# Altium PCB Driver_BLDC.PcbDoc (part 3 of 3)
Units mm, origin at the board's own origin, x right, y up, seen from the top; angles counter-clockwise.
Board outline 200.2 x 290.2 mm, 2 copper layers (Top Layer, Bottom Layer), stack 1.371 mm thick; 324 components, 136 nets, 859 pads, 323 vias.
Unrouted connection lines stored in the file: 128.
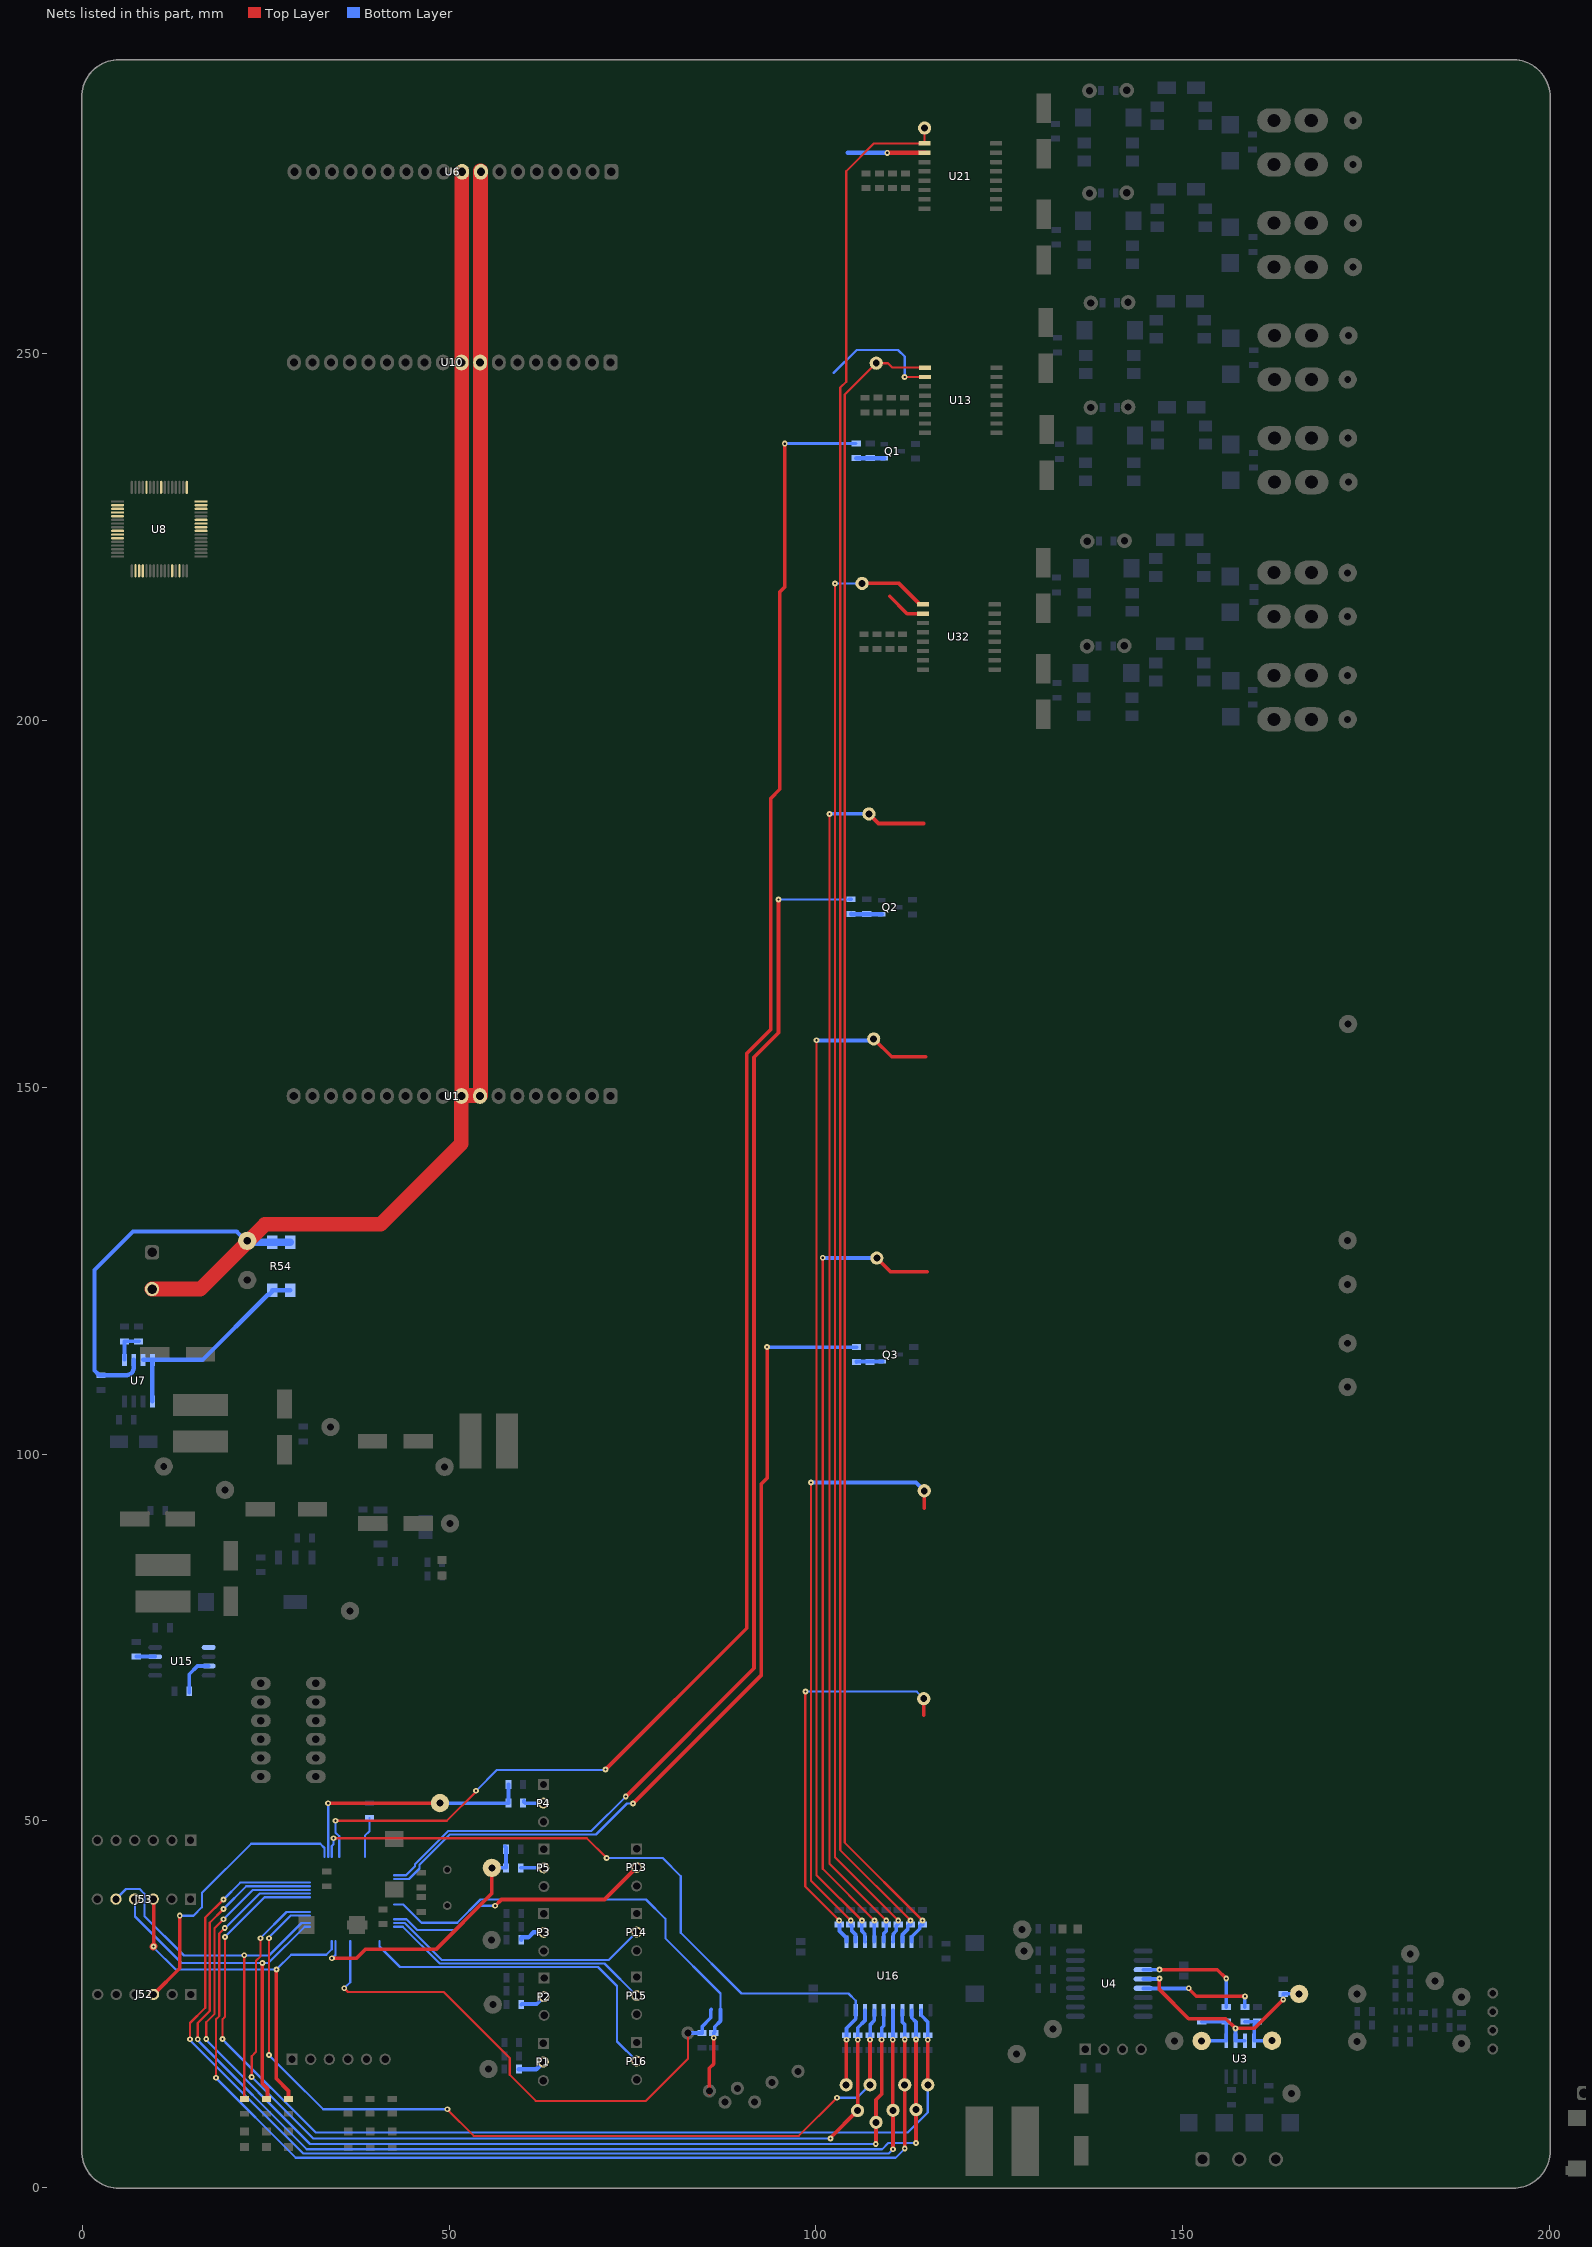
[diagram p3: the nets of this part, all layers, seen from the top]

## Via types
v1: diameter 1, hole 0.5, Top Layer to Bottom Layer, tented both sides, 118 vias
v2: diameter 0.8, hole 0.3, Top Layer to Bottom Layer, 112 vias
v3: diameter 0.8, hole 0.3, Top Layer to Bottom Layer, tented both sides, 64 vias
v4: diameter 2, hole 1, Top Layer to Bottom Layer, tented both sides, 11 vias
v5: diameter 1, hole 0.5, Top Layer to Bottom Layer, 9 vias
v6: diameter 0.8, hole 0.4, Top Layer to Bottom Layer, 5 vias
v7: diameter 0.8, hole 0.4, Top Layer to Bottom Layer, tented both sides, 2 vias
v8: diameter 0.7, hole 0.3, Top Layer to Bottom Layer, tented both sides, 1 vias
v9: diameter 1.5, hole 1, Top Layer to Bottom Layer, tented both sides, 1 vias

## Nets (pads, with @x,y where several pads share a name; then routed paths per layer and width w, separated by ;. In a path a pad name is that pad's centre, name@x,y a point inside that pad or via, vN(x,y) a via of type N, cw(c..) or ccw(c..) an arc to the next point about the centre after c; other vN are vias at no path point) (continued)
NetJ52_3: J52.3 | length 38.6
  Top Layer w0.5: J52.3@9.702,26.332 13.275,29.905 v3(13.275,37.075)
  Bottom Layer w0.3: v3(13.275,37.075) 15.15,37.075 16.287,38.212 16.287,40.162 23,46.875 32.435,46.875 33.007,46.303 33.007,45.076
NetJ53_3: J53.3 R7.2 U8.11 | length 52.8
  Top Layer w0.5: v3@9.717,32.892 J53.3@9.717,39.272 ; v3(26.447,29.732) 26.447,14.826 28.107,13.166 R7.2@28.107,12.076
  Top Layer w1: J53.3@9.657,39.332 J53.3@9.717,39.272 ; v3(9.675,32.85) v3@9.717,32.892
  Bottom Layer w0.3: v3(9.675,32.85) 9.675,32.775 12.718,29.732 24.935,29.732 v3(26.447,29.732) 28.465,31.75 33.25,31.75 34.007,32.507 34.007,33.576
NetJ53_4: J53.4 R8.2 U8.24 | length 49.9
  Top Layer w0.5: v3(24.529,30.607) 24.529,14.198 25.232,13.495 25.232,12.226 R8.2@25.081,12.076
  Top Layer w1: J53.4@7.117,39.332 J53.4@7.177,39.272
  Bottom Layer w0.3: J53.4@7.117,39.332 7.177,39.272 7.177,36.948 13.518,30.607 25.332,30.607 30.299,35.574 31.005,35.574 31.007,35.576
NetJ53_5: J53.5 R9.2 U8.37 | length 54.2
  Top Layer w0.3: R9.2@22.057,12.126 v3(22.057,31.682)
  Top Layer w0.5: R9.2@22.032,12.076 22.032,12.126 R9.2@22.081,12.076
  Top Layer w1: J53.5@4.577,39.332 J53.5@4.637,39.272
  Bottom Layer w0.3: J53.5@4.577,39.332 5.945,40.7 7.825,40.7 8.447,40.078 8.447,37.028 13.843,31.632 22.007,31.632 v3(22.057,31.682) 22.107,31.632 25.432,31.632 29.876,36.076 31.007,36.076
NetP1_2: P1.2 R1.1 | length 3.7
  Bottom Layer w0.6: R1.1@59.511,16.147 61.862,16.147 P1.2@62.842,17.127
NetP2_2: P2.2 R2.1 | length 3.6
  Bottom Layer w0.5: R2.1@59.826,24.951 59.91,25.035 61.951,25.035 P2.2@62.943,26.027
NetP3_2: P3.2 R3.1 | length 3.6
  Bottom Layer w0.6: R3.1@59.823,33.784 59.823,34.009 59.923,34.109 60.809,34.109 61.502,34.802 P3.2@62.893,34.802
NetP4_2: P4.2 R22.1 | length 2.9
  Bottom Layer w0.5: R22.1@60.207,52.699 60.207,52.571 60.357,52.421 P4.2@62.867,52.421
NetP5_2: P5.2 R23.1 | length 3.2
  Bottom Layer w0.5: R23.1@59.757,43.591 P5.2@62.917,43.591
NetP13_2: P13.2 U8.14 | length 37.2
  Top Layer w0.5: v3(56.275,38.425) 57.131,39.281 71.186,39.281 P13.2@75.555,43.65
  Bottom Layer w0.3: 42.507,36.576 44.184,36.576 45.649,35.111 50.836,35.111 54.15,38.425 v3(56.275,38.425)
NetP14_2: P14.2 U8.15 | length 36.7
  Bottom Layer w0.3: 42.507,36.076 43.938,36.076 48.982,31.032 71.752,31.032 P14.2@75.555,34.835
NetP15_2: P15.2 U8.16 | length 36.9
  Bottom Layer w0.3: 42.507,35.576 43.688,35.576 48.712,30.552 71.168,30.552 P15.2@75.555,26.165
NetP16_2: P16.2 U8.17 | length 46.7
  Bottom Layer w0.3: 40.507,33.576 40.509,33.574 40.509,32.866 43.303,30.072 70.292,30.072 72.88,27.484 72.88,19.925 P16.2@75.555,17.25
NetQ1_1: Q1.1 R84.2 R88.1 | length 3.8
  Bottom Layer w0.6: R84.2@105.494,235.77 Q1.1@109.325,235.77
NetQ2_1: Q2.1 R111.2 R113.1 | length 4.2
  Bottom Layer w0.6: R111.2@104.803,173.643 104.833,173.613 Q2.1@108.955,173.613
NetQ3_1: Q3.1 R140.2 R143.1 | length 3.5
  Bottom Layer w0.6: R140.2@105.53,112.575 105.58,112.625 Q3.1@109.04,112.625
NetR13_2: R13.2 U15.7 | length 2.6
  Bottom Layer w0.5: R13.2@7.35,72.397 9.898,72.397 U15.7@9.918,72.377
NetR14_2: R14.2 U15.3 | length 5.6
  Bottom Layer w0.5: R14.2@14.568,67.465 14.568,69.982 15.693,71.107 U15.3@17.218,71.107
NetR15_2: R15.2 TP4.1 U16.9 | length 99.5
  Top Layer w0.3: v2(34.237,47.625) 68.775,47.625 v2(71.475,44.925)
  Top Layer w0.5: TP4.1@104.125,14.011 v2@104.125,20.115
  Bottom Layer w0.3: 34.007,45.076 34.007,46.582 34.233,46.808 34.233,47.621 v2(34.237,47.625) ; v2(71.475,44.925) 79.1,44.925 81.575,42.45 81.575,34.75 89.85,26.475 104.435,26.475 105.43,25.48 U16.9@105.43,24.2
  Bottom Layer w0.5: v2(104.16,20.15) R15.2@104.16,20.775 104.16,21.731 105.43,23.001 U16.9@105.43,24.2
NetR16_2: R16.2 TP12.1 U16.8 | length 129.5
  Top Layer w0.3: v2(23.075,15.075) 23.075,17.925 23.68,18.53 23.68,30.912 24.3,31.532 v2(24.3,34) ; v2(101.975,6.685) v2@101.975,6.8
  Top Layer w0.5: v2@101.975,6.8 TP12.1@105.675,10.5 105.705,10.53 v2(105.705,20.15)
  Bottom Layer w0.3: v2(23.075,15.075) 24.504,13.646 24.529,13.646 31.49,6.685 v2(101.975,6.685) ; v2(24.3,34) 24.3,34.05 27.826,37.576 31.007,37.576
  Bottom Layer w0.5: v2(105.705,20.15) R16.2@105.705,20.775 105.705,21.78 106.7,22.775 U16.8@106.7,24.2
NetR17_2: R17.2 TP15.1 U8.36 U16.7 | length 122.7
  Top Layer w0.3: v2(25.432,34) 25.432,18.07 v2(25.442,18.06) ; v2(49.75,10.675) 49.75,10.648 53.348,7.05 97.675,7.05 v2(102.875,12.25)
  Top Layer w0.5: TP15.1@107.375,14.011 v2(107.375,20.15)
  Bottom Layer w0.3: v2(25.432,34) 25.432,34.134 28.374,37.076 31.007,37.076 ; v2(25.442,18.06) 28.175,15.327 32.827,10.675 v2(49.75,10.675) ; v2(102.875,12.25) 105.614,12.25 TP15.1@107.375,14.011
  Bottom Layer w0.5: v2(107.375,20.15) R17.2@107.375,20.775 107.425,20.825 107.425,22.25 107.97,22.795 U16.7@107.97,24.2
NetR18_2: R18.2 TP17.1 U8.43 U16.6 | length 146.7
  Top Layer w0.3: v2(16.882,20.246) 16.882,22.553 18.03,23.701 18.03,35.387 v2(19.225,36.582) ; v2(108.15,5.955) v2@108.2,6.005
  Top Layer w0.5: v2@108.2,6.005 TP17.1@108.2,8.9 108.2,11.989 108.965,12.754 v2(108.965,20.15)
  Bottom Layer w0.3: v2(16.882,20.246) 16.978,20.15 16.978,20.011 31.034,5.955 v2(108.15,5.955) ; v2(19.225,36.582) 23.219,40.576 31.007,40.576
  Bottom Layer w0.5: v2(108.965,20.15) R18.2@108.965,20.775 ; R18.2@108.965,20.775 108.965,21.78 109.24,22.055 U16.6@109.24,24.2
NetR19_2: R19.2 TP18.1 U8.35 U16.5 | length 155.3
  Top Layer w0.3: v2(14.657,20.221) 14.657,22.433 16.748,24.525 16.748,36.81 v2(19.225,39.287)
  Top Layer w0.5: v2(110.475,20.15) 110.475,10.575 TP18.1@110.512,10.537 v2(110.512,5.225)
  Bottom Layer w0.3: v2(14.657,20.221) 14.657,20.085 14.889,19.854 14.889,19.85 30.089,4.65 109.937,4.65 v2(110.512,5.225) ; v2(19.225,39.287) 21.514,41.576 31.007,41.576
  Bottom Layer w0.5: v2(110.475,20.15) 110.51,20.185 U16.5@110.51,24.2
NetR20_2: R20.2 TP19.1 U8.42 U16.4 | length 152.4
  Top Layer w0.3: v2(18.225,14.975) 18.225,22.95 18.65,23.375 18.65,34.64 v2(19.41,35.4)
  Top Layer w0.5: v2(112.105,5.317) TP19.1@112.105,14.011 v2(112.105,20.185)
  Bottom Layer w0.3: v2(18.225,14.975) 18.225,14.95 29.1,4.075 110.864,4.075 v2(112.105,5.317) ; v2(19.41,35.4) 19.468,35.4 24.144,40.076 31.007,40.076
  Bottom Layer w0.5: U16.4@111.78,24.2 111.78,22.575 112.105,22.25 R20.2@112.105,20.775 v2(112.105,20.185)
NetR21_2: R21.2 TP27.1 U8.34 U16.3 | length 155.2
  Top Layer w0.3: v2(15.732,20.221) 15.732,22.432 17.375,24.075 17.375,36.125 v2(19.225,37.975)
  Top Layer w0.5: v2(113.65,6.075) TP27.1@113.65,10.625 v2(113.65,20.185)
  Bottom Layer w0.3: v2(15.732,20.221) 15.732,20.085 15.964,19.854 15.964,19.85 30.589,5.225 109.025,5.225 109.875,6.075 v2(113.65,6.075) ; v2(19.225,37.975) 22.326,41.076 31.007,41.076
  Bottom Layer w0.5: U16.3@113.05,24.2 113.075,24.175 113.075,23.15 113.65,22.575 R21.2@113.65,20.775 v2(113.65,20.185)
NetR22_2: R22.2 R29.2 TP8.1 U8.50 | length 34.7
  Top Layer w0.5: v3(33.507,52.407) 33.521,52.421 TP8.1@48.044,52.421
  Bottom Layer w0.3: 33.507,45.076 v3(33.507,52.407)
  Bottom Layer w0.5: TP8.1@48.199,52.421 R22.2@58.087,52.421 R29.2@58.087,54.961 ; TP8.1@48.334,52.421 TP8.1@48.439,52.421 ; TP8.1@48.438,52.423 TP8.1@48.439,52.421 ; TP8.1@48.75,52.421 TP8.1@48.439,52.421
NetR23_2: R23.2 R30.2 TP7.1 U8.28 | length 36.4
  Top Layer w0.5: v3(34.007,31.275) 37.371,31.275 38.571,32.475 48.2,32.475 55.823,40.098 TP7.1@55.823,43.591
  Bottom Layer w0.3: v3(34.007,31.275) 34.059,31.275 34.507,31.723 34.507,33.576
  Bottom Layer w0.5: TP7.1@55.823,43.591 R23.2@57.757,43.591 R30.2@57.757,46.131 57.757,46.356 R30.2@57.607,46.506
NetR26_1: R26.1 R32.1 TP9.1 U3.4 | length 6.9
  Bottom Layer w0.5: R32.1@158.477,22.632 R26.1@159.982,22.632 ; R26.1@160.207,22.632 R26.1@159.982,22.632 ; TP9.1@162.184,20.027 U3.4@159.747,20.027 159.747,22.172 159.832,22.257 159.832,22.482 R26.1@159.982,22.632
NetR27_1: R27.1 R36.1 TP16.1 U3.1 | length 9.3
  Bottom Layer w0.5: TP16.1@152.592,20.002 155.922,20.002 155.937,20.017 U3.1@155.937,20.027 R36.1@155.937,22.632 R27.1@152.592,22.632
NetR31_2: R31.2 TP31.1 U8.41 U16.2 | length 144.8
  Top Layer w0.3: v2(19.115,20.246) 19.115,22.94 19.425,23.25 v2(19.425,34.175)
  Top Layer w0.5: TP31.1@115.25,14.011 v2(115.25,20.15)
  Bottom Layer w0.3: v2(19.115,20.246) 19.115,20.198 19.793,19.52 31.813,7.5 112.514,7.5 115.25,10.237 TP31.1@115.25,14.011 ; v2(19.425,34.175) 24.826,39.576 31.007,39.576
  Bottom Layer w0.5: U16.2@114.32,24.2 114.345,24.175 114.345,23.48 115.25,22.575 v2(115.25,20.15)
NetR32_2: R32.2 U4.13 | length 15.8
  Top Layer w0.5: v3(150.822,27.172) 150.822,27.094 151.839,26.077 v3(158.497,26.077)
  Bottom Layer w0.5: U4.13@144.618,27.172 144.64,27.15 150.8,27.15 v3(150.822,27.172) ; R32.2@158.477,24.632 158.477,26.057 v3(158.497,26.077)
NetR33_2: R33.2 TP37.1 U16.11 | length 55.3
  Top Layer w0.3: v2(98.58,67.65) 98.55,67.62 98.55,41.04 v2(103.17,36.42)
  Top Layer w0.5: 114.699,64.39 TP37.1@114.699,66.652
  Bottom Layer w0.3: v2(98.58,67.65) 98.617,67.613 113.738,67.613 TP37.1@114.699,66.652
  Bottom Layer w0.5: v2(103.17,36.42) R33.2@103.17,35.851 103.219,35.801 103.219,34.994 104.113,34.1 104.135,34.1 104.16,34.075 U16.11@104.16,33.5
NetR34_2: R34.2 TP38.1 U16.12 | length 83.2
  Top Layer w0.3: v2(99.345,96.125) 99.31,96.09 99.31,41.866 v2(104.756,36.42)
  Top Layer w0.5: 114.769,92.66 TP38.1@114.769,94.997
  Bottom Layer w0.5: v2(99.345,96.125) 113.641,96.125 TP38.1@114.769,94.997 ; R34.2@104.725,35.851 104.741,35.866 104.741,36.405 v2(104.756,36.42) ; R34.2@104.906,35.701 104.906,34.994 105.405,34.495 105.405,33.525 U16.12@105.43,33.5
NetR35_2: R35.2 TP40.1 U16.13 U32.2 | length 147.2
  Top Layer w0.3: v2(100.075,156.425) 100.075,42.6 v2(106.27,36.405)
  Top Layer w0.5: TP40.1@107.875,156.6 110.321,154.154 114.939,154.154 ; 110.05,216.95 112.431,214.569 U32.2@114.625,214.569
  Bottom Layer w0.3: v2(100.075,156.425) v2@100.106,156.394 ; TP40.1@107.669,156.394 TP40.1@107.875,156.6
  Bottom Layer w0.5: v2@100.106,156.394 TP40.1@107.669,156.394 ; v2(106.27,36.405) R35.2@106.27,35.851 106.27,34.992 106.675,34.587 106.675,33.525 U16.13@106.7,33.5
NetR36_2: R36.2 U4.11 | length 15.7
  Top Layer w0.5: v2(146.825,29.712) 154.73,29.712 v3(155.937,28.504)
  Bottom Layer w0.5: U4.11@144.618,29.712 v2(146.825,29.712) ; R36.2@155.937,24.632 v3(155.937,28.504)
NetR37_2: R37.2 TP41.1 U16.14 U32.1 | length 111.2
  Top Layer w0.3: v2(100.925,126.775) 100.925,43.465 v2(107.97,36.42)
  Top Layer w0.5: TP41.1@108.303,126.725 110.179,124.849 115.141,124.849
  Bottom Layer w0.3: v2(100.925,126.775) v2@100.975,126.725
  Bottom Layer w0.5: v2@100.975,126.725 TP41.1@108.303,126.725 ; U16.14@107.97,33.5 v2(107.97,36.42)
NetR38_2: R38.2 TP13.1 U3.2 U3.3 U4.12 | length 30.6
  Top Layer w0.5: v2(146.825,28.5) 146.825,27.015 150.808,23.032 155.887,23.032 v3(157.207,21.712) 159.778,21.712 v3(163.712,25.646)
  Bottom Layer w0.5: U4.12@144.618,28.442 146.686,28.442 146.744,28.5 v2(146.825,28.5) ; v3(157.207,21.712) U3.2@157.207,20.027 U3.3@158.477,20.027 ; v3(163.712,25.646) 163.712,26.412 TP13.1@166.186,26.412
NetR42_2: R42.2 TP42.1 U16.15 U21.2 | length 181.5
  Top Layer w0.3: v2(101.87,187.275) 101.87,44.13 v2(109.58,36.42)
  Top Layer w0.5: TP42.1@107.225,187.275 108.541,185.959 114.678,185.959
  Top Layer w0.58: v2(109.725,277.4) 109.733,277.408 U21.2@114.815,277.408
  Bottom Layer w0.3: TP42.1@107.225,187.275 TP42.1@107.597,186.903
  Bottom Layer w0.5: v2(101.87,187.275) TP42.1@107.225,187.275 ; U16.15@109.24,33.5 109.242,33.502 109.242,34.654 109.58,34.992 R42.2@109.58,35.851 v2(109.58,36.42)
  Bottom Layer w0.58: 104.325,277.4 v2(109.725,277.4)
NetR43_2: R43.2 TP43.1 U16.16 U21.1 | length 202.3
  Top Layer w0.3: v2(102.595,218.7) 102.6,218.695 102.6,45.045 v2(111.225,36.42)
  Top Layer w0.5: TP43.1@106.292,218.7 111.318,218.7 114.05,215.968 114.05,215.889 114.1,215.839 114.625,215.839
  Bottom Layer w0.3: v2(102.595,218.7) TP43.1@106.292,218.7
  Bottom Layer w0.5: U16.16@110.51,33.5 110.535,33.525 110.535,34.59 110.968,35.022 110.968,35.701 111.225,35.958 v2(111.225,36.42)
NetR44_2: R44.2 TP46.1 U13.2 U16.17 | length 277.6
  Top Layer w0.3: v2(112.1,246.825) 112.118,246.843 U13.2@114.887,246.843 ; v2(112.915,36.42) 103.325,46.01 103.325,245.4 104.125,246.2 104.125,274.9 107.903,278.678 114.815,278.678 TP46.1@114.815,280.779
  Bottom Layer w0.3: 102.4,247.375 105.55,250.525 111.2,250.525 112.1,249.625 v2(112.1,246.825)
  Bottom Layer w0.5: U16.17@111.78,33.5 111.805,33.525 111.805,34.507 112.54,35.242 112.54,35.701 112.69,35.851 R44.2@112.915,35.851 v2(112.915,36.42)
NetR45_2: R45.2 TP47.1 U13.1 U16.18 | length 228.4
  Top Layer w0.3: TP47.1@107.747,248.265 103.925,244.443 103.925,47.029 v2(114.534,36.42) ; TP47.1@108.225,248.725 109.825,248.725 110.437,248.113 U13.1@114.887,248.113
  Bottom Layer w0.5: U16.18@113.05,33.5 113.075,33.525 113.075,34.19 114.159,35.274 114.159,35.701 114.309,35.851 R45.2@114.534,35.851 v2(114.534,36.42)
NetR46_2: R46.2 U8.51 | length 72.9
  Top Layer w0.3: v2(35.7,27.175) 36.2,26.675 49.25,26.675 58.25,17.675 58.25,15.381 61.806,11.825 76.825,11.825 82.55,17.55 82.55,21.08
  Bottom Layer w0.3: v2(35.7,27.175) 35.7,27.2 36.507,28.007 36.507,33.576
  Bottom Layer w0.5: 82.55,21.08 82.555,21.075 R46.2@84.49,21.075 84.495,21.07 84.495,21.97 85.68,23.155 85.68,24.225 85.73,24.275
NetR47_2: R47.2 U8.52 | length 68
  Top Layer w0.5: 85.475,12.814 85.475,16.275 86.065,16.865 v2(86.065,20.433)
  Bottom Layer w0.3: 42.507,38.576 43.763,38.576 46.219,36.12 51.098,36.12 54.26,39.281 76.844,39.281 79.475,36.65 79.475,34 87,26.475 87,24.275
  Bottom Layer w0.5: v2(86.065,20.433) R47.2@86.065,21.07 86.202,21.207 86.202,21.927 87,22.725 87,24.275
NetR54_2: R54.2 U7.1 U7.7 U7.8 | length 29.7
  Bottom Layer w0.6: U7.7@8.275,112.834 U7.8@9.545,112.834 ; U7.1@9.545,107.184 U7.8@9.545,112.834 ; R54.2@25.875,122.325 R54.2@28.325,122.325 ; R54.2@25.963,122.237 25.45,121.725 25.275,121.725 16.384,112.834 U7.8@9.545,112.834
NetR56_2: R56.2 R57.2 U7.5 | length 4.5
  Bottom Layer w0.5: U7.5@5.74,112.839 R57.2@5.74,115.369 R56.2@7.734,115.369
NetR59_2: R59.2 U8.60 | length 5.6
  Bottom Layer w0.3: 38.507,45.076 38.507,47.957 39.159,48.609 R59.2@39.159,50.407
NetR84_1: R84.1 U8.8 | length 245.5
  Top Layer w0.3: v2(34.507,50.007) 49.682,50.007 53.675,54 v2(53.675,54.1)
  Top Layer w0.5: v2(71.3,57) 90.572,76.272 90.572,154.622 93.825,157.875 93.825,189.375 95.075,190.625 95.075,217.525 95.75,218.2 v2(95.75,237.75)
  Bottom Layer w0.3: v2(34.507,50.007) 34.507,48.387 35.007,47.887 35.007,45.076 ; v2(53.675,54.1) 56.5,56.925 71.225,56.925 v2(71.3,57)
  Bottom Layer w0.4: v2(95.75,237.75) 95.77,237.77 R84.1@105.494,237.77
NetR111_1: R111.1 U8.9 | length 177
  Top Layer w0.5: v3(74.075,53.325) 74.1,53.325 91.562,70.787 91.562,154.087 94.9,157.425 v2(94.9,175.625)
  Bottom Layer w0.3: 42.507,42.576 44.12,42.576 45.348,43.804 45.348,44.08 49.897,48.63 69.405,48.63 74.075,53.3 v3(74.075,53.325) ; v2(94.9,175.625) 104.56,175.625 R111.1@104.578,175.643
  Bottom Layer w0.5: R111.1@104.578,175.643 R111.1@104.803,175.643
NetR140_1: R140.1 U8.10 | length 119.1
  Top Layer w0.5: v3(75.075,52.375) 92.525,69.825 92.525,95.9 93.35,96.725 v2(93.35,114.6)
  Bottom Layer w0.3: 42.507,42.076 44.53,42.076 45.95,43.496 45.95,43.994 46.072,44.116 46.072,44.126 50.056,48.11 50.066,48.11 50.106,48.15 70.03,48.15 74.255,52.375 v3(75.075,52.375)
  Bottom Layer w0.5: v2(93.35,114.6) 93.375,114.575 R140.1@105.53,114.575
NetU8_62: U8.62 U15.1
VCC: C41.1 C47.1 J2.2 J9.2 R54.1 U1.8 U1.9 U6.8 U6.9 U7.6 U10.8 U10.9 | length 361.8
  Top Layer w2: J9.2@9.5,122.5 16.075,122.5 24.904,131.329 40.67,131.329 51.67,142.329 U1.9@51.67,148.815 ; U6.9@51.73,274.815 51.73,198.815 51.73,148.875 54.27,148.875 54.27,198.815 54.27,248.815 54.27,274.815 U6.8@54.27,274.942
  Bottom Layer w0.6: U7.6@7.005,112.834 7.005,111.789 cw(c5.965,111.789) 5.965,110.749 2.295,110.749 1.65,111.394 1.65,125.1 6.9,130.35 21.025,130.35 C47.1@22.475,128.9
  Bottom Layer w1: C47.1@22.475,128.9 22.5,128.875 R54.1@25.875,128.875 R54.1@28.325,128.875
pads on no net: C11.2 C19.1 C21.1 C23.1 TP36.1 U1.5 U1.6 U1.7 U1.12 U1.13 U1.14 U4.3 U4.14 U6.5 U6.6 U6.7 U6.12 U6.13 U6.14 U8.2 U8.3 U8.4 U8.21 U8.22 U8.23 U8.44 U8.45 U8.46 U8.49 U8.53 U8.54 U10.5 U10.6 U10.7 U10.12 U10.13 U10.14 U13.7 U13.12 U13.13 U21.7 U21.12 U21.13 U32.7 U32.12 U32.13
copper on no net: | length 3467.4
  Top Layer w0.3: v3(31.626,32.598) 31.626,26.399 39.169,18.856 49.894,18.856 51.95,16.8 v2(51.95,10.455) ; v2(83.617,36.961) 92.5,45.844 92.5,65.9 v2(92.475,65.925) ; v2(85.13,36.961) 93.45,45.281 93.45,94.48 v2(93.47,94.5) ; v2(86.685,36.961) 94.2,44.475 94.2,154.25 v2(94.175,154.275) ; v2(88.195,36.961) 94.925,43.691 94.925,123.595 v2(94.93,123.6) ; v2(89.695,36.961) 95.675,42.941 95.675,188.872 v2(95.67,188.877) ; v2(91.231,36.961) 96.4,42.13 96.4,216.925 v2(96.375,216.95) ; v2(92.75,36.961) 97.2,41.411 97.2,270.275 104.325,277.4 ; v2(94.32,36.961) 97.85,40.491 97.85,242.725 102.326,247.201 102.326,247.301 ; v2(113.198,63.12) 114.699,63.12 ; v2(113.26,184.7) v2@113.265,184.694 ; 114.672,184.694 114.678,184.689
  Top Layer w0.5: v3(36.45,25.55) 41.333,25.55 44.475,22.408 47.087,22.408 ; v3(45.797,24.536) 45.818,24.515 47.08,24.515 47.087,24.508 ; 55.662,68.807 55.662,65.298 v3(58.552,62.407) ; v3(76.15,51.375) v2(90.125,65.35) ; 105.6,154.275 106.991,152.884 114.939,152.884 ; 106.354,58.035 107.313,58.035 ; v5(108.1,123.6) 108.121,123.579 115.141,123.579 ; 108.565,58.205 108.715,58.355 108.715,58.968 109.008,59.26 ; 108.709,86.555 108.688,86.555 ; 109.058,59.31 114.619,59.31 ; 109.675,94.45 112.735,91.39 114.769,91.39 ; 110.064,58.205 111.824,58.205 111.974,58.055 112.427,58.055 112.492,57.99 ; 110.103,179.879 111.843,179.879 112.738,179.879 113.008,179.609 114.678,179.609 ; 110.314,86.575 112.084,86.575 112.254,86.405 113.314,86.405 113.409,86.31 114.769,86.31 ; 110.654,148.049 110.684,148.079 112.404,148.079 112.629,148.079 112.904,147.804 114.939,147.804 ; v1(110.825,62.685) 110.825,77.527 106.734,81.618 106.734,86.555 108.484,86.555 108.688,86.555 ; 110.868,118.824 112.645,118.824 113.781,118.824 114.084,118.521 115.119,118.521 115.141,118.499 ; 112.542,58.04 114.619,58.04 ; v2@113.265,184.694 114.672,184.694 ; 114.769,87.58 109.13,87.58 108.838,87.287 108.838,86.705 108.688,86.555 ; 124.369,56.77 124.449,56.77 127.264,56.77 128.851,58.357 133.174,58.357 140.336,51.195 v1(146.149,51.195) ; 124.369,63.12 124.449,63.12 127.213,63.12 129.164,61.169 133.312,61.169 137.502,65.359 v1(146.149,65.359) ; 124.428,178.339 127.138,178.339 129.003,180.204 132.523,180.204 138.963,173.764 v1(145.748,173.764) ; 124.428,183.419 123.108,183.419 122.693,183.834 122.693,187.034 127.601,191.942 130.873,191.942 ; 124.428,184.689 127.358,184.689 128.973,183.074 133.019,183.074 138.119,188.174 v1(146.018,188.174) ; 124.428,185.959 130.633,185.959 ; 124.519,85.04 126.759,85.04 129.004,87.285 133.094,87.285 140.209,80.17 v1(146.219,80.17) ; 124.519,91.39 127.399,91.39 129.024,89.765 132.924,89.765 138.134,94.975 v1(146.434,94.975) ; 124.689,146.534 126.609,146.534 129.034,148.959 132.784,148.959 139.179,142.564 v1(146.659,142.564) ; 124.689,151.614 123.267,151.614 122.974,151.907 122.974,154.869 128.172,160.067 131.194,160.067 ; 124.689,152.884 127.579,152.884 129.424,151.039 132.624,151.039 137.864,156.279 v1(146.684,156.279) ; 124.689,154.154 130.884,154.154 131.194,153.844 ; 124.891,117.229 127.186,117.229 129.406,119.449 132.756,119.449 139.236,112.969 v1(146.101,112.969) ; 124.891,122.309 123.449,122.309 123.156,122.602 123.156,125.819 128.104,130.767 131.236,130.767 131.236,131.614 130.747,132.103 ; 124.891,123.579 127.076,123.579 129.006,121.649 133.786,121.649 139.211,127.074 v1(146.136,127.074) ; 124.891,124.849 130.931,124.849 ; v1(129.925,156.025) v1@129.937,156.025 ; 130.19,193.604 130.873,192.921 130.873,191.942 ; 130.358,161.817 130.444,161.817 131.194,161.067 131.194,160.067 ; 130.368,155.594 130.444,155.594 131.194,154.844 131.194,153.844 ; 130.59,125.968 131.236,125.322 131.236,124.544 ; 130.938,125.307 131.125,124.951 131.304,124.612 131.236,124.544 ; 131.311,191.504 130.873,191.942 ; 131.891,125.199 131.236,124.544 ; 131.899,154.549 131.194,153.844 ; 131.944,158.799 131.194,159.549 131.194,160.067
  Top Layer w0.6: v1(106.575,56.975) 106.613,57.013 106.613,58.035 ; 107.313,58.105 108.383,58.105
  Top Layer w1: 64.42,174.815 66.96,174.815 66.96,155.81 v1(66.925,155.775) ; 69.5,174.815 72.04,174.815 72.04,154.15 v1(71.99,154.1) ; v1(129.1,193.4) 129.987,193.4 ; v1(129.5,188) 130.281,187.219 130.373,187.219 130.873,186.719 130.873,186.434 ; v1(129.85,162.325) 130.358,161.817 ; v1@129.937,156.025 130.368,155.594 ; v1(129.975,126.725) 130.661,126.039 130.736,126.039 131.236,125.539 131.236,124.544 ; v1(130.093,132.724) 130.55,132.267 130.736,132.267 130.747,132.256 130.747,132.103 ; 130.633,185.959 130.873,185.719 130.873,186.434 ; 131.236,130.767 131.236,130.159 131.736,129.659 v1(133.046,129.659) ; 131.311,191.504 v1(132.603,191.504) ; 131.891,125.199 v1(133.046,125.199) ; 131.899,154.549 v1(133.074,154.549) ; 131.944,158.799 v1(133.074,158.799) ; v1(132.566,186.934) 131.373,186.934 130.873,186.434 ; 162.393,170.854 167.473,170.854 ; 162.393,176.854 167.473,176.854 ; 162.393,184.854 162.413,184.874 ; 162.393,190.854 162.473,190.934 ; 162.484,76.855 162.654,76.685 ; 162.534,47.465 162.544,47.455 ; 162.534,61.465 162.554,61.445
  Top Layer w2: 162.374,82.985 162.594,82.765 172.414,82.765 ; 162.374,90.985 162.444,91.055 172.414,91.055 ; 162.374,96.985 162.484,96.875 172.414,96.875 ; 162.413,184.874 172.453,184.874 ; 162.446,129.149 167.526,129.149 172.486,129.149 ; 162.473,190.934 172.453,190.934 ; 162.514,138.579 162.564,138.629 172.554,138.629 ; 162.514,144.579 167.594,144.579 172.554,144.579 ; 162.514,152.579 167.594,152.579 172.554,152.579 ; 162.534,53.465 167.614,53.465 172.574,53.465 ; 162.534,67.465 167.614,67.465 172.574,67.465 ; 162.544,47.455 172.574,47.455 ; 162.554,61.445 172.574,61.445 ; 162.654,76.685 172.414,76.685 ; 167.473,170.854 172.433,170.854 ; 167.473,176.854 172.433,176.854
  Bottom Layer w0.3: v3(31.626,32.598) 31.626,34.043 36.007,38.424 40.796,38.424 40.992,38.228 41.144,38.076 42.507,38.076 ; v3(36.45,25.55) 36.475,25.55 36.989,26.064 36.989,33.021 37.005,33.036 37.005,33.574 37.007,33.576 ; 39.007,45.076 39.007,47.67 52.439,61.101 57.774,61.101 ; 39.507,45.076 39.507,47.434 50.684,58.611 57.774,58.611 ; 42.507,41.576 44.781,41.576 46.552,43.347 46.552,43.927 50.255,47.63 70.355,47.63 74.1,51.375 v3(76.15,51.375) ; v2(51.95,10.455) 87.055,10.455 87.091,10.42 92.134,10.42 92.17,10.455 92.93,10.455 96,13.525 96,17.075 97.325,18.4 97.325,21.07 ; v2(90.125,65.35) 100.095,55.38 102.275,55.38 ; v2(92.475,65.925) 92.5,65.95 110.368,65.95 v2(113.198,63.12) ; v2(96.375,216.95) 110.05,216.95 ; 105.245,123.6 v5(108.1,123.6) ; 113.26,188.834 113.303,188.877 113.744,188.877
  Bottom Layer w0.4: 47.076,24.524 47.087,24.536 ; 95.605,21.07 97.325,21.07
  Bottom Layer w0.5: 31.325,174.74 31.4,174.815 ; 44.475,22.408 46.937,22.408 47.087,22.558 ; v3(45.797,24.536) 47.064,24.536 47.076,24.524 ; 47.087,22.696 47.087,22.558 ; 48.487,17.456 47.087,18.856 47.087,22.558 ; 50.582,68.807 50.582,66.796 51.442,65.936 51.592,65.786 51.592,65.561 51.592,63.711 ; 53.122,68.807 53.122,66.229 53.415,65.936 53.442,65.936 53.592,65.786 53.592,65.561 ; 53.592,63.711 58.402,63.711 58.552,63.561 ; 53.592,65.561 58.552,65.561 ; 57.774,58.611 59.552,60.389 59.552,64.436 58.702,65.286 ; 57.774,61.101 58.552,61.879 v3(58.552,62.407) 58.552,63.561 ; 60.552,63.561 64.122,63.561 ; 60.552,65.661 60.652,65.561 64.122,65.561 ; 83.617,38.275 85.13,38.275 86.685,38.275 88.195,38.275 92.75,38.275 94.32,38.275 ; 83.765,36.165 83.765,35.345 84.45,34.66 ; v2(85.13,36.961) 85.13,35.301 85.72,34.711 ; 87,33.775 87,36.165 ; 88.195,36.275 v2(88.195,36.961) ; 88.27,33.775 88.27,36.2 ; 89.54,33.775 89.54,36.165 ; 89.65,36.275 89.695,36.32 v2(89.695,36.961) ; 90.82,33.785 90.82,35.276 90.977,35.433 90.977,36.165 ; 92.08,33.775 92.08,35.18 92.415,35.515 92.415,36.165 ; 93.35,33.775 93.4,33.825 93.4,34.981 93.945,35.526 93.945,36.125 94.095,36.275 94.32,36.275 v2(94.32,36.961) ; v2(93.47,94.5) 93.52,94.45 109.675,94.45 ; v2(94.175,154.275) 105.6,154.275 ; 94.62,24.275 94.62,22.87 95.563,21.927 95.563,21.22 95.605,21.178 95.605,21.07 ; v2(94.93,123.6) 105.245,123.6 ; v2(95.67,188.877) 113.303,188.877 ; 108.1,54.4 108.15,54.35 108.6,54.35 109.4,53.55 110.025,53.55 110.255,53.32 ; 108.325,54.4 108.325,55.225 v1(106.575,56.975) 106.575,58.435 v1(110.825,62.685) ; v2(113.26,184.7) 113.26,188.834 ; 133.046,126.549 133.056,126.559 ; 133.064,155.839 133.074,155.829 ; 133.064,157.839 133.069,157.844 ; v1@133.069,158.794 v1(133.074,158.799) ; 146.659,157.694 146.663,157.69 ; v1@146.663,156.3 v1(146.684,156.279)
  Bottom Layer w0.58: v2(83.617,36.961) 83.617,36.275 83.655,36.275 83.765,36.165 ; 84.45,34.66 84.45,33.785 84.46,33.775 ; 85.72,34.711 85.72,33.785 85.73,33.775 ; v2(86.685,36.961) 86.685,36.275 86.89,36.275 87,36.165 ; 88.195,36.275 88.27,36.2 ; 89.54,36.165 89.65,36.275 ; 90.81,33.775 90.82,33.785 ; 90.977,36.165 91.087,36.275 91.231,36.275 ; 91.231,36.275 v2(91.231,36.961) ; 92.415,36.165 92.525,36.275 92.75,36.275 v2(92.75,36.961)
  Bottom Layer w0.6: 47.627,39.913 v7(47.627,40.831) 47.627,41.749 ; 102.275,53.38 104.105,53.38 104.175,53.45 106.025,53.45
  Bottom Layer w1: 28.86,174.815 31.4,174.815 ; 28.87,198.815 31.41,198.815 31.41,195.49 35.05,191.85 125.65,191.85 v1(129.5,188) ; 31.325,174.74 31.325,172.95 43.2,161.075 124.875,161.075 v1(129.925,156.025) ; 33.94,174.815 36.48,174.815 36.48,171.895 46.05,162.325 v1(129.85,162.325) ; 33.95,198.815 36.49,198.815 36.49,195.71 38.8,193.4 v1(129.1,193.4) ; v1(66.925,155.775) 74.675,155.775 79.55,150.9 79.55,150.844 79.705,150.689 79.705,145.295 92.276,132.724 v1(130.093,132.724) ; v1(71.99,154.1) 74.625,154.1 78.525,150.2 78.525,144.775 91.975,131.325 125.375,131.325 v1(129.975,126.725) ; v1(132.566,186.934) 132.566,187.569 132.566,188.027 132.593,188.054 134.678,188.054 135.283,187.449 135.458,187.449 135.458,184.999 ; v1(132.603,191.504) 132.593,191.494 132.593,190.054 134.543,190.054 134.703,190.214 134.713,190.214 135.313,190.814 135.313,193.651 136.188,194.526 136.188,194.699 136.2,194.711 137.75,194.711 137.763,194.724 ; v1(133.046,125.199) 133.046,126.549 ; v1(133.046,129.659) 133.046,128.569 133.056,128.559 135.006,128.559 135.356,128.909 135.506,128.909 136.106,129.509 136.106,129.659 136.106,132.266 136.981,133.141 136.981,133.314 136.993,133.326 138.543,133.326 138.556,133.339 ; 133.056,126.559 135.796,126.559 136.106,126.249 136.281,126.249 136.281,123.799 ; 133.064,155.839 136.509,155.839 136.944,155.404 137.119,155.404 137.119,152.954 ; 133.064,157.839 136.134,157.839 136.944,158.649 136.944,161.386 137.819,162.261 137.819,162.434 137.831,162.446 139.381,162.446 139.394,162.459 ; 133.069,157.844 v1@133.069,158.794 ; v1(133.074,154.549) 133.074,155.829 ; 139.763,180.254 139.788,180.279 141.238,180.279 141.263,180.304 141.263,180.206 142.213,179.256 142.213,176.564 142.038,176.389 142.038,173.039 142.038,170.589 156.397,170.589 ; 139.763,194.724 139.788,194.749 141.238,194.749 141.263,194.774 141.263,194.664 142.213,193.714 142.213,190.964 ; 140.294,101.425 140.319,101.45 141.769,101.45 141.794,101.475 ; 140.414,87.685 140.439,87.71 141.889,87.71 141.914,87.735 141.914,84.635 142.864,83.685 142.864,83.535 142.689,83.36 142.689,80.17 ; 140.574,57.675 140.599,57.7 142.049,57.7 142.074,57.725 142.074,57.59 143.024,56.64 143.024,53.805 142.849,53.63 142.849,50.47 142.849,48.02 142.925,47.944 156.574,47.944 158.215,49.585 159.714,49.585 160.076,49.585 162.196,47.465 ; 140.574,71.689 140.599,71.714 142.049,71.714 142.074,71.739 142.074,68.859 143.024,67.909 143.024,67.759 142.849,67.584 142.849,64.344 142.849,61.894 142.928,61.814 156.574,61.814 158.115,63.355 159.524,63.355 160.162,63.355 162.052,61.465 162.534,61.465 ; 141.174,148.559 141.199,148.584 142.649,148.584 142.674,148.609 142.674,148.511 143.624,147.561 143.624,144.895 143.449,144.72 143.449,141.524 143.449,139.074 143.533,139.158 156.584,139.158 158.055,140.629 159.564,140.629 160.301,140.629 162.351,138.579 162.514,138.579 ; 141.394,162.459 141.419,162.484 142.869,162.484 142.894,162.509 142.894,162.238 143.669,161.463 143.669,155.404 143.669,152.954 143.815,152.808 156.554,152.808 158.295,154.549 159.854,154.549 161.824,152.579 ; 141.914,101.475 141.914,98.735 142.864,97.785 142.864,97.635 ; 142.008,184.999 142.008,187.449 142.008,190.964 ; 142.389,97.635 142.389,91.8 156.528,91.8 156.934,91.394 158.365,92.825 160.113,92.825 161.953,90.985 162.374,90.985 162.444,91.055 ; 142.449,184.843 156.433,184.843 158.414,186.824 159.333,186.824 160.1,186.824 162.07,184.854 162.393,184.854 ; 142.484,80.17 142.689,79.965 142.689,77.72 155.438,77.72 156.144,77.014 157.825,78.695 160.112,78.695 161.952,76.855 162.484,76.855 ; v1(145.748,173.764) 145.748,175.449 145.748,177.899 145.748,179.639 146.623,180.514 147.023,180.514 ; v1(146.018,188.174) 146.018,189.799 146.018,190.964 146.018,192.249 146.018,193.979 146.893,194.854 147.293,194.854 ; v1(146.101,112.969) 146.101,114.574 146.101,117.024 146.101,118.704 147.006,119.609 147.406,119.609 ; v1(146.136,127.074) 146.136,128.5 146.136,132.67 146.991,133.525 147.391,133.525 ; v1(146.149,51.195) 146.149,52.54 146.149,54.99 146.149,56.69 147.024,57.565 147.424,57.565 ; v1(146.149,65.359) 146.149,66.74 146.149,69.19 146.149,71.1 147.024,71.975 147.424,71.975 ; v1(146.219,80.17) 146.219,81.89 146.219,84.34 146.219,86.08 147.124,86.985 147.524,86.985 ; v1(146.434,94.975) 146.434,95.763 146.914,96.243 ; 146.434,96.203 146.434,98.653 146.42,98.653 146.195,98.878 146.195,100.313 146.78,100.898 147.479,100.898 147.829,101.248 ; v1(146.659,142.564) 146.659,144.024 146.659,146.474 146.659,148.184 147.534,149.059 147.934,149.059 ; 146.659,157.694 146.659,160.144 146.659,161.854 147.534,162.729 147.934,162.729 ; v1@146.663,156.3 146.663,157.69 ; 151.023,180.514 151.373,180.164 151.997,180.164 152.583,179.578 152.583,178.124 152.358,177.899 152.298,177.899 152.298,175.449 152.313,175.434 ; 151.293,194.854 151.693,194.854 152.568,193.979 152.568,189.799 152.643,189.724 156.433,189.724 156.865,189.292 158.84,189.292 159.308,188.824 159.333,188.824 160.16,188.824 162.19,190.854 162.393,190.854 ; 151.391,133.525 151.791,133.525 152.453,132.864 152.453,131.175 152.678,130.95 152.686,130.95 152.686,128.5 152.734,128.549 156.496,128.549 157.876,127.169 159.296,127.169 160.163,127.169 162.143,129.149 162.446,129.149 ; 151.424,57.565 151.824,57.565 152.699,56.69 152.699,52.54 ; 151.424,71.975 151.824,71.975 152.699,71.1 152.699,66.74 152.744,66.695 ; 151.524,86.985 151.924,86.985 152.769,86.14 152.769,84.34 152.769,81.89 156.139,81.89 156.144,81.895 156.844,81.195 157.374,81.195 157.874,80.695 160.324,80.695 161.408,81.78 161.408,81.792 162.472,82.855 ; 151.633,175.434 156.433,175.434 156.983,174.884 159.403,174.884 160.1,174.884 162.07,176.854 162.393,176.854 ; 151.934,149.059 152.334,149.059 153.209,148.184 153.209,144.024 153.224,144.039 156.584,144.039 157.994,142.629 159.564,142.629 160.201,142.629 162.151,144.579 162.514,144.579 ; 152.269,52.54 156.289,52.54 156.574,52.825 157.814,51.585 159.714,51.585 160.162,51.585 162.042,53.465 162.534,53.465 ; 152.279,101.288 152.279,101.198 152.984,100.493 152.984,96.203 ; 152.314,66.695 156.574,66.695 157.914,65.355 159.524,65.355 160.381,65.355 162.491,67.465 162.534,67.465 ; 153.466,96.275 156.934,96.275 158.384,94.825 160.214,94.825 161.298,95.91 161.298,95.922 162.362,96.985 162.374,96.985 162.484,96.875 ; 156.433,170.553 158.764,172.884 159.403,172.884 160.16,172.884 162.19,170.854 162.393,170.854 ; 172.244,76.855 172.414,76.685
  Bottom Layer w2: 156.397,170.589 156.433,170.553 ; 161.824,152.579 162.514,152.579 167.594,152.579 172.554,152.579 ; 162.196,47.465 162.534,47.465 167.614,47.465 167.624,47.455 172.574,47.455 ; 162.393,170.854 167.473,170.854 172.433,170.854 ; 162.393,176.854 167.473,176.854 172.433,176.854 ; 162.393,184.854 162.413,184.874 172.453,184.874 ; 162.393,190.854 162.473,190.934 172.453,190.934 ; 162.444,91.055 167.454,91.055 ; 162.446,129.149 167.526,129.149 172.486,129.149 ; 162.484,76.855 167.564,76.855 172.244,76.855 ; 162.484,96.875 167.454,96.875 ; 162.514,138.579 162.564,138.629 172.554,138.629 ; 162.514,144.579 167.594,144.579 172.554,144.579 ; 162.534,53.465 167.614,53.465 172.574,53.465 ; 162.534,61.465 162.554,61.445 172.574,61.445 ; 162.534,67.465 167.614,67.465 172.574,67.465 ; 162.574,82.765 167.454,82.765 ; 167.454,82.985 167.674,82.765 172.414,82.765 ; 167.454,90.985 172.344,90.985 ; 167.454,96.985 172.168,96.985 172.183,96.971 172.289,96.971 172.304,96.985

## Polygon pours and split planes (outlines as drawn)
GND on Bottom Layer "NONET_L-01_P-001" (solid, pour order 42): 115.92,281.845 115.92,279.882 115.92,268.876 113.729,266.686 104.789,266.686 104.789,281.845
GND on Bottom Layer "NONET_L-01_P-001" (solid, pour order 41): 115.89,250.091 115.89,248.127 115.89,237.121 113.7,234.931 104.759,234.931 104.759,250.091
GND on Bottom Layer "NONET_L-01_P-001" (solid, pour order 40): 115.87,219.945 115.87,217.982 115.87,206.976 113.679,204.786 104.739,204.786 104.739,219.945
GND on Bottom Layer "NONET_L-01_P-001" (solid, pour order 39): 115.97,187.97 115.97,186.007 115.97,175.001 113.779,172.811 104.839,172.811 104.839,187.97
GND on Bottom Layer "NONET_L-01_P-001" (solid, pour order 38): 115.92,157.52 115.92,155.557 115.92,144.551 113.729,142.361 104.789,142.361 104.789,157.52
GND on Bottom Layer "NONET_L-01_P-001" (solid, pour order 37): 116.12,127.345 116.12,125.382 116.12,114.376 113.929,112.186 104.989,112.186 104.989,127.345
GND on Bottom Layer "NONET_L-01_P-001" (solid, pour order 36): 115.97,96.395 115.97,94.432 115.97,83.426 113.779,81.236 104.839,81.236 104.839,96.395
GND on Bottom Layer "NONET_L-01_P-001" (solid, pour order 28): 115.509,67.516 115.509,65.553 115.509,54.547 113.319,52.356 104.378,52.356 104.378,67.516
GND on Bottom Layer "NONET_L-01_P-001" (solid, pour order 21): 0.106,137.4 31.15,137.4 39.425,129.125 39.425,111.7 54.475,96.65 54.475,86.694 82.525,58.644 82.525,49.75 91.333,40.942 137.875,40.942 137.875,-0.1 19.45,-0.1 0.001,19.349
GND_2 on Bottom Layer "NONET_L-01_P-001" (solid, pour order 25): 141.042,0 167.65,0 167.625,33.557 141.025,33.557
GND on Bottom Layer "NONET_L-01_P-001" (solid, pour order 23): 172.048,33.547 172.048,14.075 200.1,14.075 200.1,33.547
GND on Top Layer "NONET_L-01_P-001" (solid, pour order 35): 115.836,281.912 115.836,279.949 115.836,268.943 113.645,266.753 104.705,266.753 104.705,281.912
GND on Top Layer "NONET_L-01_P-001" (solid, pour order 33): 115.786,220.012 115.786,218.049 115.786,207.043 113.595,204.853 104.655,204.853 104.655,220.012
GND on Top Layer "NONET_L-01_P-001" (solid, pour order 32): 115.886,188.037 115.886,186.074 115.886,175.068 113.695,172.878 104.755,172.878 104.755,188.037
GND on Top Layer "NONET_L-01_P-001" (solid, pour order 31): 115.836,157.587 115.836,155.624 115.836,144.618 113.645,142.428 104.705,142.428 104.705,157.587
GND on Top Layer "NONET_L-01_P-001" (solid, pour order 30): 116.036,127.412 116.036,125.449 116.036,114.443 113.845,112.253 104.905,112.253 104.905,127.412
GND on Top Layer "NONET_L-01_P-001" (solid, pour order 29): 115.886,96.462 115.886,94.499 115.886,83.493 113.695,81.303 104.755,81.303 104.755,96.462
GND on Top Layer "NONET_L-01_P-001" (solid, pour order 27): 115.509,67.516 115.509,65.553 115.509,54.547 113.319,52.356 104.378,52.356 104.378,67.516
GND on Top Layer "NONET_L-01_P-001" (solid, pour order 19): 0.106,137.4 31.15,137.4 39.425,129.125 39.425,111.7 54.475,96.65 54.475,86.694 82.525,58.644 82.525,49.75 91.333,40.942 137.875,40.942 137.875,-0.1 19.45,-0.1 0.001,19.349
GND on Top Layer "NONET_L-01_P-001" (solid, pour order 34): 115.806,250.158 115.806,248.194 115.806,237.188 113.616,234.998 104.675,234.998 104.675,250.158
GND_2 on Top Layer "NONET_L-01_P-001" (solid, pour order 26): 141.011,0 167.65,0 167.625,33.557 140.994,33.557
GND on Top Layer "NONET_L-01_P-001" (solid, pour order 24): 172.048,27.56 172.048,14.075 200.1,14.075 200.1,33.547 172.048,33.547

## Keep-outs
Keep-Out Layer:
  circle w0.254: c195,5 r2
  circle w0.254: c5,5 r2
  circle w0.254: c195,285 r2
  circle w0.254: c5,145 r2
  circle w0.254: c195,145 r2
  circle w0.254: c5,285 r2
  lines w0.2: 118.023,186.721 118.023,176.124 ccw(c119.523,176.124) 121.023,176.124 121.023,186.723 ccw(c119.523,186.723) 118.023,186.723 ; 118.03,216.74 118.03,206.144 ccw(c119.53,206.144) 121.03,206.144 121.03,216.743 ccw(c119.53,216.743) 118.03,216.743 ; 118.094,65.402 118.094,54.806 ccw(c119.594,54.806) 121.094,54.806 121.094,65.405 ccw(c119.594,65.405) 118.094,65.405 ; 118.23,279.529 118.23,268.933 ccw(c119.73,268.933) 121.23,268.933 121.23,279.532 ccw(c119.73,279.532) 118.23,279.532 ; 118.234,93.552 118.234,82.956 ccw(c119.734,82.956) 121.234,82.956 121.234,93.555 ccw(c119.734,93.555) 118.234,93.555 ; 118.292,249.014 118.292,238.418 ccw(c119.792,238.418) 121.292,238.418 121.292,249.017 ccw(c119.792,249.017) 118.292,249.017 ; 118.334,155.086 118.334,144.489 ccw(c119.834,144.489) 121.334,144.489 121.334,155.089 ccw(c119.834,155.089) 118.334,155.089 ; 118.585,125.64 118.585,115.044 ccw(c120.085,115.044) 121.585,115.044 121.585,125.643 ccw(c120.085,125.643) 118.585,125.643 ; 195,290 cw(c195,285) 200,285 200,5 cw(c195,5) 195,0 5,0 cw(c5,5) 0,5 0,285 cw(c5,285) 5,290 195.11,290

## Silkscreen, mask and mechanical layers (free items; w line width, h text height)
Top Overlay:
  circle w2: c5,5 r3
  circle w2: c195,5 r3
  circle w2: c195,285 r3
  circle w2: c5,145 r3
  circle w2: c195,145 r3
  circle w2: c5,285 r3
  rectangle: 164.818,161.199 184.818,168.199
  rectangle: 165,222.863 185,229.863
  rectangle: 164.964,99.555 184.964,106.555
  lines w0.2: 1.825,56.225 9.825,56.225 ; 1.825,61.225 9.825,61.225
  lines w0.5: 164.871,94.049 184.871,94.049 ; 164.921,79.929 184.921,79.929 ; 164.964,278.816 184.964,278.816 ; 165.031,64.439 185.031,64.439 ; 165.134,264.926 185.134,264.926 ; 165.147,217.257 185.147,217.257 ; 165.151,50.469 185.151,50.469 ; 165.197,203.137 185.197,203.137 ; 165.241,155.512 185.241,155.512 ; 165.244,249.436 185.244,249.436 ; 165.291,141.392 185.291,141.392 ; 165.307,187.647 185.307,187.647 ; 165.364,235.466 185.364,235.466 ; 165.401,125.902 185.401,125.902 ; 165.421,112.132 185.421,112.132 ; 165.427,173.677 185.427,173.677 ; 169.061,160.709 179.484,160.709 179.484,106.984 169.205,106.984 ; 169.256,99.144 179.834,99.144 179.834,45.265 169.555,45.265 ; 169.32,284.217 179.897,284.217 179.897,230.338 169.618,230.338 ; 169.478,222.333 179.83,222.333 179.83,168.679 169.551,168.679 ; 170.086,254.687 172.552,254.687 172.552,259.687 170.086,259.687 ; 170.109,192.998 172.575,192.998 172.575,197.998 170.109,197.998 ; 170.142,69.715 172.608,69.715 172.608,74.715 170.142,74.715 ; 170.182,131.404 172.648,131.404 172.648,136.404 170.182,136.404
  lines w1.5: 165.039,87.055 185.039,87.055 ; 165.177,271.953 185.177,271.953 ; 165.181,57.229 185.181,57.229 ; 165.24,210.164 185.24,210.164 ; 165.309,148.644 185.309,148.644 ; 165.394,242.501 185.394,242.501 ; 165.457,180.912 185.457,180.912 ; 165.576,119.142 185.576,119.142
  lines w3: 165.161,72.289 185.161,72.289 ; 165.374,257.286 185.374,257.286 ; 165.437,195.497 185.437,195.497 ; 165.531,133.877 185.531,133.877
  text "1_G" at 181.687,280.696 h2
  text "1_E" at 181.687,274.696 h2
  text "2_G" at 181.687,267.799 h2
  text "2_E" at 181.687,261.209 h2
  text "3_G" at 181.687,252.439 h2
  text "3_E" at 181.687,245.849 h2
  text "4_G" at 181.687,238.109 h2
  text "4_E" at 181.687,231.519 h2
  text "5_G" at 181.687,219.497 h2
  text "5_E" at 181.687,212.907 h2
  text "6_G" at 181.687,206.01 h2
  text "6_E" at 181.687,199.42 h2
  text "7_G" at 181.687,190.65 h2
  text "7_E" at 181.687,184.06 h2
  text "8_G" at 181.687,176.32 h2
  text "8_E" at 181.687,169.73 h2
  text "9_G" at 182.108,157.752 h2
  text "9_E" at 182.108,151.162 h2
  text "10_G" at 182.108,144.265 h2
  text "10_E" at 182.108,137.675 h2
  text "GND VCC" at 3.054,128.996 h1.2 r270
  text "11_G" at 182.108,128.905 h2
  text "11_E" at 182.108,122.315 h2
  text "12_G" at 182.108,114.575 h2
  text "12_E" at 182.108,107.985 h2
  text "13_G" at 182.108,96.289 h2
  text "13_E" at 182.108,89.699 h2
  text "14_G" at 182.108,82.801 h2
  text "14_E" at 182.108,76.211 h2
  text "5V" at 48.588,70.886 h0.8 r90
  text "V3V" at 51.151,70.886 h0.8 r90
  text "SDA" at 53.668,70.886 h0.8 r90
  text "SCL" at 55.974,70.886 h0.8 r90
  text "GND" at 58.698,70.886 h0.8 r90
  text "5V" at 18.715,68.355 h0.8
  text "15_G" at 182.108,67.441 h2
  text "5V" at 67.361,67.286 h0.8
  text "J48" at 12.554,67.079 h0.8 r90
  text "CS" at 18.586,65.636 h0.8
  text "SDA" at 66.801,65.165 h0.8
  text "SCK" at 17.986,63.211 h0.8
  text "SCL" at 66.85,63.165 h0.8
  text "J53" at 12.554,62.335 h0.8 r90
  text "GND" at 3.224,61.954 h0.8 r90
  text "DIR" at 4.574,61.954 h0.8 r90
  text "RX" at 6.024,61.954 h0.8 r90
  text "TX" at 7.416,61.954 h0.8 r90
  text "5V" at 8.771,61.954 h0.8 r90
  text "V3V" at 10.004,61.954 h0.8 r90
  text "GND" at 66.801,61.165 h0.8
  text "15_E" at 182.108,60.851 h2
  text "MISO" at 17.336,60.711 h0.8
  text "MOSI" at 17.261,58.061 h0.8
  text "GND" at 3.249,56.956 h0.8 r90
  text "LED_3" at 4.466,56.956 h0.8 r90
  text "LED_2" at 5.916,56.956 h0.8 r90
  text "LED_1" at 7.308,56.956 h0.8 r90
  text "5V" at 8.796,56.956 h0.8 r90
  text "V3V" at 10.029,56.956 h0.8 r90
  text "GND" at 17.876,55.395 h0.8
  text "GND" at 67.336,54.636 h0.8
  text "J52" at 12.554,53.77 h0.8 r90
  text "16_G" at 182.108,53.111 h2
  text "GND" at 2.924,52.679 h0.8 r90
  text "RX" at 4.274,52.679 h0.8 r90
  text "TX" at 5.724,52.679 h0.8 r90
  text "CLK" at 7.116,52.679 h0.8 r90
  text "DIO" at 8.471,52.679 h0.8 r90
  text "V3V" at 9.704,52.679 h0.8 r90
  text "TIM1" at 67.125,52.175 h0.8
  text "5V" at 67.125,49.385 h0.8
  text "16_E" at 182.108,46.521 h2
  text "GND" at 26.231,45.934 h0.8
  text "GND" at 67.586,45.836 h0.8
  text "5V" at 79.986,45.836 h0.8
  text "TIM2" at 67.226,43.345 h0.8
  text "DC/RS" at 26.325,43.302 h0.8
  text "SENS_1" at 79.284,43.287 h0.8
  text "D_RST" at 26.325,40.896 h0.8
  text "GND" at 79.463,40.712 h0.8
  text "5V" at 66.972,40.214 h0.8
  text "D_LED" at 26.325,38.211 h0.8
  text "GND" at 67.511,36.986 h0.8
  text "5V" at 80.036,36.961 h0.8
  text "D_INT" at 26.701,35.455 h0.8
  text "GND" at 194.029,35.104 h0.8
  text "SENS_2" at 79.284,34.692 h0.8
  text "HALL_A" at 66.622,34.439 h0.8
  text "OUT_P1" at 193.954,33.662 h0.8
  text "5V" at 26.701,33.501 h0.8
  text "OUT_N1" at 193.954,32.237 h0.8
  text "GND" at 79.513,31.837 h0.8
  text "5V" at 66.875,31.757 h0.8
  text "5V" at 194.054,30.854 h0.8
  text "5V" at 80.111,28.336 h0.8
  text "GND" at 67.486,28.261 h0.8
  text "HALL_B" at 66.672,25.664 h0.8
  text "SENS_3" at 79.634,25.569 h0.8
  text "GND" at 79.588,23.212 h0.8
  text "5V" at 66.66,22.705 h0.8
  text "GND" at 42.115,20.939 h0.8 r90
  text "V3V" at 29.098,20.886 h0.8 r90
  text "LED_4" at 39.125,20.885 h0.8 r90
  text "V3V" at 15.478,20.84 h0.8 r90
  text "LED_5" at 36.719,20.814 h0.8 r90
  text "LED_7" at 31.554,20.715 h0.8 r90
  text "LED_6" at 34.094,20.715 h0.8 r90
  text "DIO" at 12.879,20.586 h0.8 r90
  text "GND" at 66.485,20.446 h0.8
  text "GND" at 7.753,20.386 h0.8 r90
  text "CLK" at 10.221,20.386 h0.8 r90
  text "5V" at 80.161,19.536 h0.8
  text "SENS_4" at 79.713,16.887 h0.8
  text "HALL_C" at 66.603,16.777 h0.8
  text "GND" at 79.713,14.112 h0.8
  text "5V" at 66.485,13.98 h0.8
  text "GND" at 46.278,11.461 h0.8 r90
  text "UI_INT" at 49.22,8.811 h0.8 r90
  text "B" at 166.729,2.954 h1.52
  text "G" at 169.804,2.954 h1.52
  text "A" at 172.804,2.954 h1.52

## Text inside footprints (layer, text, board x,y; h text height)
C47: Top Overlay "-" at 23.999,123.606 h1.52 r270; Top Overlay "+" at 23.999,130.337 h1.52 r270
U1: Top Overlay "-18V_1" at 63.859,146.875 h1.3 r270; Top Overlay "-18V_1" at 66.399,146.875 h1.3 r270; Top Overlay "+18V_1" at 68.939,146.875 h1.3 r270; Top Overlay "+18V_1" at 71.479,146.875 h1.3 r270; Top Overlay "+18V_2" at 28.3,147.154 h1.3 r270; Top Overlay "+18V_2" at 30.84,147.154 h1.3 r270; Top Overlay "-18V_2" at 33.38,147.154 h1.3 r270; Top Overlay "-18V_2" at 35.92,147.154 h1.3 r270; Top Overlay "+12V" at 53.266,146.058 h1.3 r270; Top Overlay "GND" at 45.647,145.418 h1.3 r270; Top Overlay "GND" at 48.187,145.418 h1.3 r270; Top Overlay "+12V" at 50.726,146.058 h1.3 r270; Bottom Overlay "+18V_2" at 28.3,140.388 h1.3 r270; Bottom Overlay "+18V_2" at 30.84,140.388 h1.3 r270; Bottom Overlay "-18V_2" at 33.38,140.388 h1.3 r270; Bottom Overlay "-18V_2" at 35.92,140.389 h1.3 r270; Bottom Overlay "GND" at 45.647,142.124 h1.3 r270; Bottom Overlay "GND" at 48.187,142.124 h1.3 r270; Bottom Overlay "+12V" at 50.726,141.484 h1.3 r270; Bottom Overlay "+12V" at 53.266,141.484 h1.3 r270; Bottom Overlay "-18V_1" at 63.859,140.667 h1.3 r270; Bottom Overlay "-18V_1" at 66.399,140.667 h1.3 r270; Bottom Overlay "+18V_1" at 68.939,140.667 h1.3 r270; Bottom Overlay "+18V_1" at 71.479,140.667 h1.3 r270